# Altium PCB DDR3.PcbDoc (part 2 of 6)
Units mm, origin at the board's own origin, x right, y up, seen from the top; angles counter-clockwise.
Board outline 67.6 x 30 mm, 8 copper layers (L1 Top, L2 GND, L3 Sig, L4 (PWR), L5 (PWR), L6 Sig, L7 GND, L8 Bot), stack 1.714 mm thick; 216 components, 253 nets, 1243 pads, 806 vias.
Unrouted connection lines stored in the file: 13.
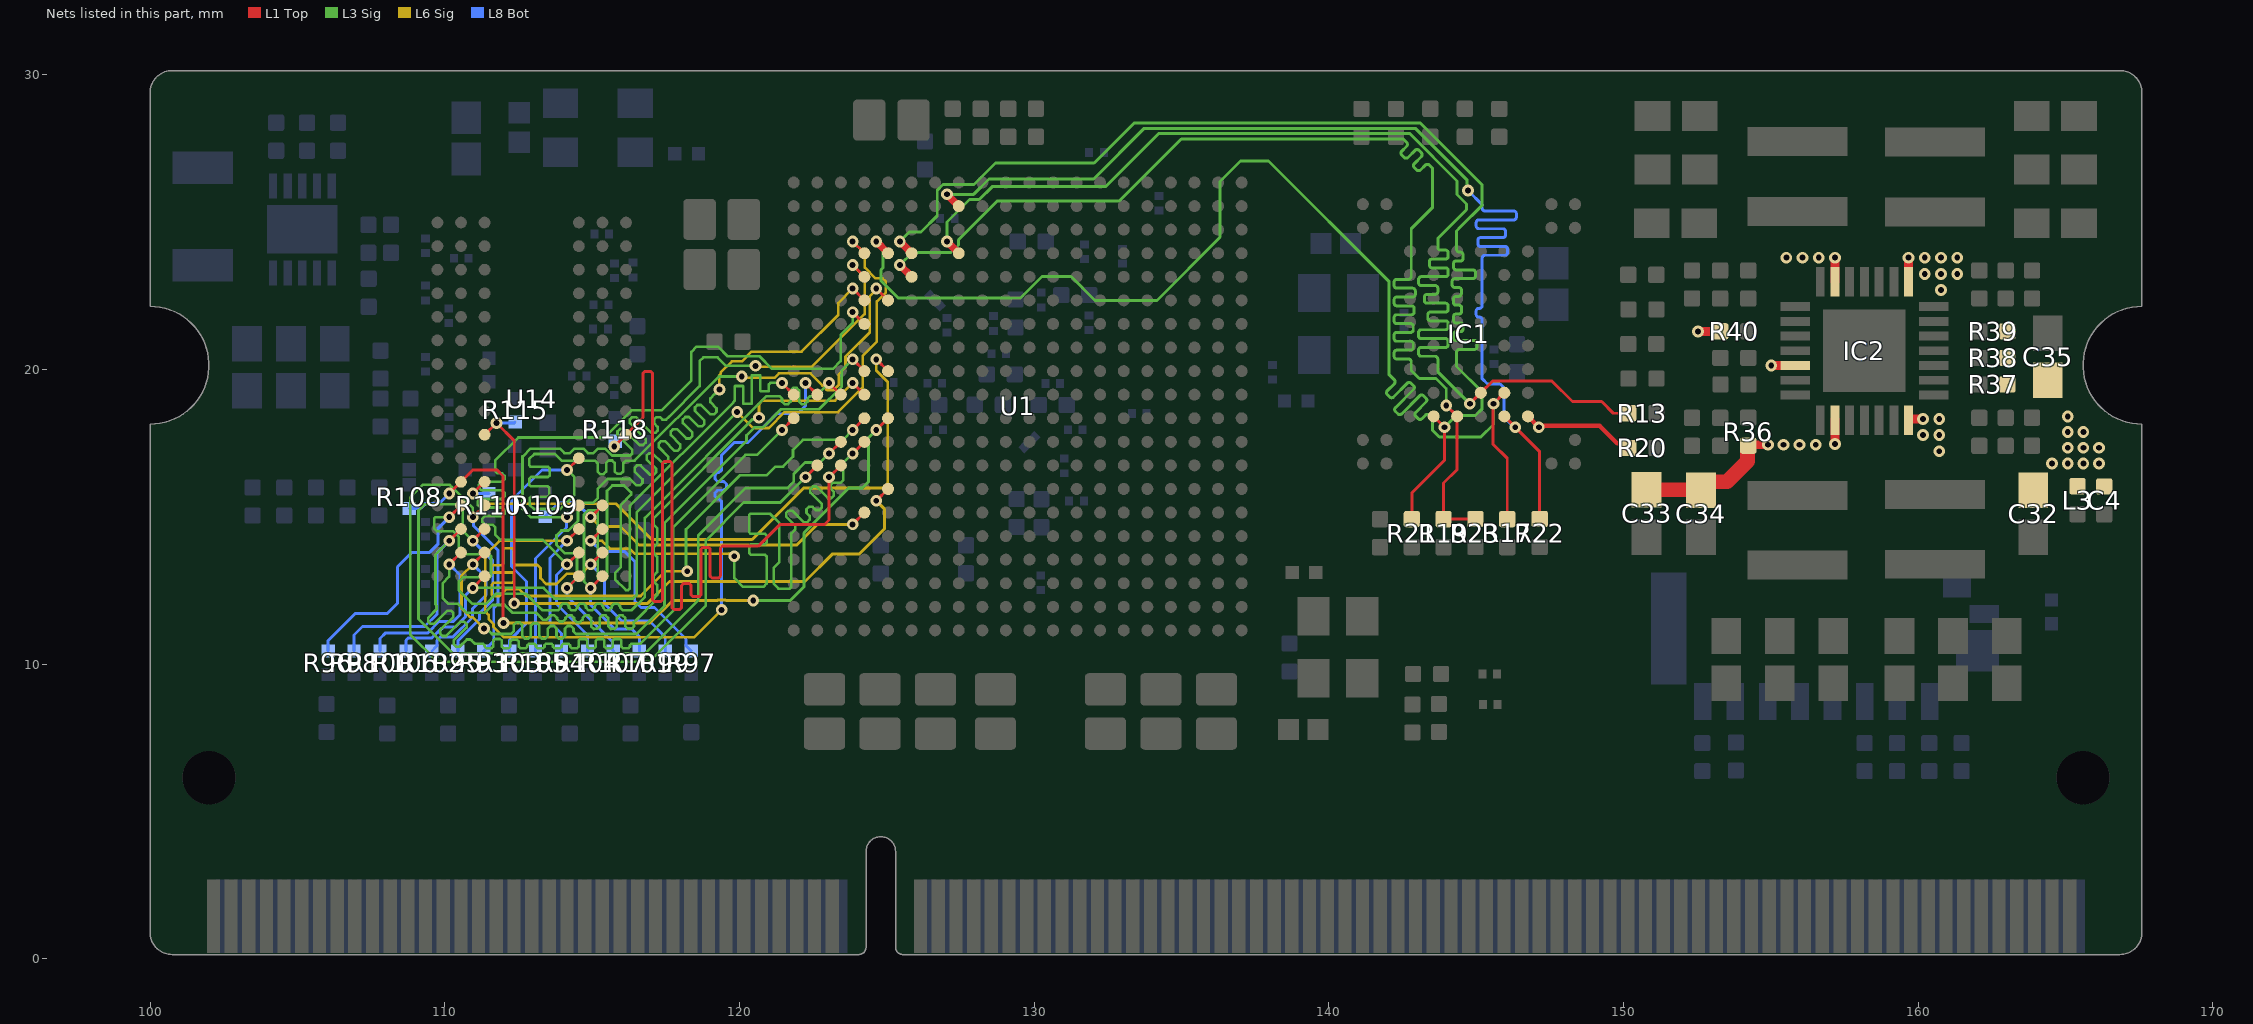
[diagram p8: the nets of this part, all layers, seen from the top]

## Part data
C1 C2 C3: library part CMP-1034-01878-1, "CAP 10nF 16V -20% to +80% 0402 (1005 Metric) Thickness 0.6mm SMD", Case-EIA=0402, Case-Metric=1005, Rated Voltage="16 V", Tolerance="-20% to +80%", Max Thickness="0.6 mm", Technology=SMT
C4 C39: library part Cap_1uF_50V_X6S_0402, "0402, 1uF,  10%, 50V, X6S", Manufacturer=Murata, Manufacturer Part Number=GRT155C81E105KE13D, Operating Temperature="-55°C ~ 105°C", Package="0402 (1005 Metric)", Ratings=AEC-Q200, Supplier Part Number 1=81-GRT155C81E105KE3D, Temperature Coefficient=X6S, Tolerance=±10%, Voltage=25V, Applications=Automotive, Capacitance=1µF, Component Type=Generic, Mounting Type=SMT, Part Number=GRT155C81E105KE13D, Supplier 1=Mouser, Supplier 2=DigiKey, Supplier 3=Farnell, Supplier Part Number 2=490-18215-1-ND, Supplier Part Number 3=2672107, Type=Ceramic
C5 C30 C31 C40 C41 C42 C50 C86 C96 C97 C101 C102 C103: library part Cap_0.1uF_50V_X7R_0402, "0402, 0.1uF, 10%,  50V, X7R", Manufacturer 1=TDK, Manufacturer Part Number 1=C1005X7R1H104K050BE, Operating Temperature="-55°C ~ 125°C", Package="0402 (1005 Metric)", Ratings=AEC-Q200, Supplier Part Number 1=810-C1005X7R1H104KBE, Temperature Coefficient=X7R, Tolerance=±10%, Voltage=50V, Applications=Automotive, Capacitance=0.1µF, Component Type=Generic, Mounting Type=SMT, Part Number=C1005X7R1H104K050BE, Supplier 1=Mouser, Supplier 2=DigiKey, Supplier 3=Farnell, Supplier Part Number 2=445-173610-1-ND, Supplier Part Number 3=3416071, Type=Ceramic
C6 C44 C45 C52 C55 C60 C63 C66 C70 C71 C80 C81 C98 C99 C100 C110 C115 C120: library part Cap_4.7uF_10V_10%_0402, "CAP CER 4.7UF 10V X5R 0402", Case Code (Imperial)=0402, Case Code (Metric)=1005, Dielectric=X5R, Dielectric Material=Ceramic, Manufacturer 1=TDK, Manufacturer Part Number 1=C1005X5R1A475K050BC, Max Operating Temperature=85°C, Min Operating Temperature=-55°C, Package Quantity=10000, Supplier Part Number 1=810-C1005X5R1A475KBC, Tolerance=10%, Voltage Rating=10V, Capacitance=4.7µF, Case/Package=0402, Category="Ceramic Capacitors", Component Type=Generic, ComponentLink1Description=https://datasheet.ciiva.com/14895/tdkmlcccaprange-14895671.pdf?src-supplier=Digi-Key, ComponentLink1URL=https://datasheet.ciiva.com/14895/tdkmlcccaprange-14895671.pdf?src-supplier=Digi-Key, ComponentLink2Description=https://datasheet.ciiva.com/14895/tdkmlcccaprange-14895670.pdf?src-supplier=Digi-Key, ComponentLink2URL=https://datasheet.ciiva.com/14895/tdkmlcccaprange-14895670.pdf?src-supplier=Digi-Key, ComponentLink3Description=https://datasheet.ciiva.com/14895/tdkmlcccaprange-14895672.pdf?src-supplier=Digi-Key, ComponentLink3URL=https://datasheet.ciiva.com/14895/tdkmlcccaprange-14895672.pdf?src-supplier=Digi-Key, Lead Free="Lead Free", Length=0.039inch, Mount="Surface Mount", Packaging="Cut Tape", Part Number=C1005X5R1A475K050BC, Reach SVHC Compliant=Yes, RoHS=Yes, RoHS Compliant=Yes, Series=C, Stock 1=1272492, Supplier 1=Mouser, Thickness=0.022inch, Voltage Rating (DC)=10V, Width=0.02inch
C8 C9 C10 C11 C12 C13 C14 C15 C16 C17 C18 C19 C20 C21 C22 C23 C25 C26 C27 C46 C47 C48 C49 C51 C56 C57 C58 C59 C64 C65 C72 C73 C74 C75 C76 C77 C78 C79 C83 C116 C117: library part Cap_47nF_X7R_0201, "0201, 47nF, 10%, 25V, X7R", Capacitance=47nF, Package=0201, Ratings=AEC-Q200, Supplier Part Number 1=GRM033R61A473KE84D, Applications=Automotive, Component Type=Generic, Mounting Type=SMT, Supplier 1="Arrow Electronics", Supplier 2="Future Electronics", Supplier 3=Farnell, Supplier 4=Mouser, Supplier 5=Digikey, Supplier 6=Newark, Supplier Part Number 2=4125905, Supplier Part Number 3=3340765, Supplier Part Number 4=81-GRM033R61A473KE4D, Supplier Part Number 5=490-14570-1-ND, Supplier Part Number 6=77AH4496
C24 C114: library part CMP-2000-05444-2, "Chip Multilayer Ceramic Capacitors for General Purpose, 0603, 47uF, X5R, 15%, 20%, 6.3V", Capacitance=47uF, Case Code (Imperial)=0603, Case Code (Metric)=1608, Dielectric=X5R, Max Operating Temperature=85°C, Min Operating Temperature=-55°C, Tolerance=20%, Voltage Rating=6.3V, Case/Package=0603, Length=0.063inch, Mount="Surface Mount", Packaging="Tape and Reel", Thickness=0.039inch, Voltage Rating (DC)=6.3V, Width=0.031inch
C28 C29 C85 C104 C105: library part Cap_10nF_25V_NP0_0402, "0402,10nF,5%,25V,NP0", Manufacturer=Murata, Manufacturer Part Number 1=GRM1555C1E103JE01J, Operating Temperature="-55°C ~ 125°C", Package="0402 (1005 Metric)", Supplier Part Number 1=81-GRM1555C1E103JE1J, Temperature Coefficient=NP0, Tolerance=±5%, Voltage=25V, Capacitance=10nF, Component Type=Generic, Mounting Type=SMT, Part Number=GRM1555C1E103JE01J, Supplier 1=Mouser, Supplier 2=DigiKey, Supplier 3=Farnell, Type=Ceramic
C32 C33 C34 C35 C36 C37 C38 C87 C88 C89 C91 C92 C93 C95 C112 C121 C122 C140 C141: library part CMP-2006-02792-2, "Chip Multilayer Ceramic Capacitors for General Purpose, 0603, 10uF, X5R, 15%, 20%, 6.3V", Capacitance=10uF, Case Code (Imperial)=0603, Case Code (Metric)=1608, Dielectric=X5R, Max Operating Temperature=85°C, Min Operating Temperature=-55°C, Package Quantity=4000, Tolerance=20%, Voltage=6.3V, Case/Package=0603, Depth=0.8mm, Height=0.8mm, Lead Free="Lead Free", Length=1.6mm, Material=Ceramic, Mount="Surface Mount", Packaging="Tape and Reel", Radiation Hardening=No, REACH SVHC="No SVHC", Termination=SMD/SMT, Thickness=0.035inch, Voltage Rating=6.3V, Voltage Rating (DC)=6.3V, Width=0.031inch
C43 C53 C54 C61 C62 C67 C68 C69 C82 C84: library part Cap_10uF_50V_X7S_0805, "0805, 10uF, 10%, 25V, X7S", Manufacturer 1=Murata, Manufacturer Part Number=GRT21BC71E106KE13L, Operating Temperature="-55°C ~ 125°C", Package="0805 (2012 Metric)", Ratings=AEC-Q200, Supplier Part Number 1=81-GRT21BC71E106KE13, Temperature Coefficient=X7S, Tolerance=±10%, Voltage=25V, Applications=Automotive, Capacitance=10µF, Component Type=Generic, Manufacturer Part Number 1=GRT21BC71E106KE13L, Mounting Type=SMT, Part Number=GRT21BC71E106KE13L, Supplier 1=Mouser, Supplier 2=DigiKey, Supplier 3=Farnell, Supplier Part Number 2=490-GRT21BC71E106KE13LCT-ND, Supplier Part Number 3=3784584, Type=Ceramic
C90 C94: library part CAP_22pF_50V_X7R_0402, "Multilayer Ceramic Capacitor, AEC-Q200 CGA Series, 22 pF, - 5%, C0G / NP0, 50 V", Case Code (Imperial)=0402, Case Code (Metric)=1005, Dielectric=C0G, Manufacturer 1=TDK, Manufacturer Part Number 1=CGA2B2C0G1H220J050BA, Max Operating Temperature=125°C, Min Operating Temperature=-55°C, Package Quantity=10000, Ratings=AEC-Q200, Resistor Type=Ceramic, Supplier Part Number 1=445-5588-1-ND, Tolerance=5%, Voltage Rating=50V, Capacitance=22pF, Case/Package=0402, Category="Ceramic Capacitors", Component Type=Generic, ComponentLink1Description=https://datasheet.ciiva.com/24219/cga2b2c0g1h220j050ba-265690-24219866.pdf?src-supplier=Mouser, ComponentLink1URL=https://datasheet.ciiva.com/24219/cga2b2c0g1h220j050ba-265690-24219866.pdf?src-supplier=Mouser, ComponentLink2Description=https://datasheet.ciiva.com/23803/1936565-23803065.pdf?src-supplier=Newark, ComponentLink2URL=https://datasheet.ciiva.com/23803/1936565-23803065.pdf?src-supplier=Newark, ComponentLink3Description=https://datasheet.ciiva.com/28563/1735392-28563914.pdf?src-supplier=Element14, ComponentLink3URL=https://datasheet.ciiva.com/28563/1735392-28563914.pdf?src-supplier=Element14, Depth=0.5mm, Height=0.5mm, Lead Free="Lead Free", Length=1mm, Mount="Surface Mount", Packaging="Tape and Reel", Part Number=CGA2B2C0G1H220J050BA, Pricing 1="1=0.10000, 10=0.05200, 50=0.02840, 100=0.02320, 500=0.01654, 1000=0.01299, 2500=0.01181, 5000=0.01087 (USD)", Pricing 2="1=0.12000, 10=0.05600, 50=0.05600, 100=0.02500, 1000=0.01400, 10000=0.01100 (USD)", Pricing 3="10=0.04830, 100=0.02130, 500=0.01230, 2500=0.01120, 5000=0.01010 (GBP)", REACH SVHC="No SVHC", RoHS=Yes, RoHS Compliant=Yes, Series=CGA, Stock 1=105879, Stock 2=202942, Stock 3=17918, Supplier 1=Digi-Key, Supplier 2=Mouser, Supplier 3=Farnell, Supplier Part Number 2=810-CGA2B2C0G1H220J, Supplier Part Number 3=2210771, Termination=SMD/SMT, Thickness=0.022inch, Voltage Rating (DC)=50V, Weight=2.3E-05oz, Width=0.02inch
C113: library part CMP-2000-05259-2, "CAP CER 100UF 6.3V X5R 1210", 3DS Part Number=220-00002, Capacitance=100uF, Manufacturer=Murata, Package=GRM32-0.3, Temperature="-55°C to +85°C", Temperature Characteristic=X5R, Temperature Coefficient=15%, Temperature Range High=+85°C, Temperature Range Low=-55°C, Tolerance=20%, Voltage=6.3V, Automotive=No, Category=Cap, ComponentLink2Description=Datasheet, ComponentLink2URL=https://search.murata.co.jp/Ceramy/image/img/A01X/G101/ENG/GRM32ER60J107ME20-01.pdf, Device Class L1="Passive Components", Device Class L2=Capacitors, Device Class L3="Ceramic Capacitors", Digikey Description="CAP CER 100UF 6.3V X5R 1210", Height=2.7mm, ipc land pattern name=CAPC320250X250, Lead Free=Yes, Manufacturer Part Number=GRM32ER60J107ME20L, Material=Ceramic, Octopart=https://octopart.com/grm32er60j107me20l-murata-197007, RoHS=TRUE, Voltage Rating=6.3V
C142: library part Cap_15pF_50V_0402, "0402 15 pF 50 V ±5 % Tolerance NP0 SMT Multilayer Ceramic Capacitor", Case Code (Imperial)=0402, Case Code (Metric)=1005, Dielectric=C0G, Dielectric Material=Ceramic, Insulation Resistance=100GR, Manufacturer=Yageo, Manufacturer Part Number=CC0402JRNPO9BN150, Max Operating Temperature=125°C, Min Operating Temperature=-55°C, Package Quantity=1, Supplier Part Number 1=603-CC402JRNPO9BN150, Tolerance=5%, Voltage=50V, Capacitance=15pF, Case/Package=0402, Category="Ceramic Capacitors", Component Type=Generic, ComponentLink1Description=https://datasheet.ciiva.com/5789/1443161-5789504.pdf?src-supplier=Farnell, ComponentLink1URL=https://datasheet.ciiva.com/5789/1443161-5789504.pdf?src-supplier=Farnell, ComponentLink2Description=https://datasheet.ciiva.com/26862/getdatasheetpartid-403449-26862595.pdf?src-supplier=Verical, ComponentLink2URL=https://datasheet.ciiva.com/26862/getdatasheetpartid-403449-26862595.pdf?src-supplier=Verical, ComponentLink3Description=https://datasheet.ciiva.com/144/mlccorderingcode-144002.pdf?src-supplier=Digi-Key, ComponentLink3URL=https://datasheet.ciiva.com/144/mlccorderingcode-144002.pdf?src-supplier=Digi-Key, ComponentLink4Description=https://datasheet.ciiva.com/144/mlccorderingcode-144001.pdf?src-supplier=Digi-Key, ComponentLink4URL=https://datasheet.ciiva.com/144/mlccorderingcode-144001.pdf?src-supplier=Digi-Key, ComponentLink5Description=https://datasheet.ciiva.com/144/mlccorderingcode-144003.pdf?src-supplier=Digi-Key, ComponentLink5URL=https://datasheet.ciiva.com/144/mlccorderingcode-144003.pdf?src-supplier=Digi-Key, ComponentLink6Description=https://datasheet.ciiva.com/13386/upy-gp-np0-16v-to-50v-8-13386330.pdf?src-supplier=Mouser, ComponentLink6URL=https://datasheet.ciiva.com/13386/upy-gp-np0-16v-to-50v-8-13386330.pdf?src-supplier=Mouser, ComponentLink7Description=https://datasheet.ciiva.com/11587/upy-gp-np0-16v-to-50v-8-11587085.pdf?src-supplier=Avnet, ComponentLink7URL=https://datasheet.ciiva.com/11587/upy-gp-np0-16v-to-50v-8-11587085.pdf?src-supplier=Avnet, Depth=0.5mm, Height=0.5mm, Lead Free="Lead Free", Length=1mm, Manufacturer 1=Yageo, Manufacturer Part Number 1=CC0402JRNPO9BN150, Mounting Technology="Surface Mount", Packaging="Tape and Reel", Part Number=CC0402JRNPO9BN150, Pins=2, Pricing 1="1=0.10000, 10=0.01300, 50=0.01300, 100=0.01100, 1000=0.00600, 10000=0.00400 (USD)", Pricing 2="1=0.10000, 10=0.02400, 50=0.01300, 100=0.01070, 500=0.00764, 1000=0.00600, 2500=0.00546, 5000=0.00502 (USD)", Pricing 3="10=0.01300, 100=0.01100, 500=0.00600, 2500=0.00550, 5000=0.00500, 10000=0.00400, 50000=0.00390 (EUR)", Radiation Hardening=No, Reach SVHC Compliant=Yes, Resistor Type=Ceramic, RoHS=Yes, RoHS Compliant=Yes, Series=CC, Stock 1=256699, Stock 2=1634123, Stock 3=1588454, Supplier 1=Mouser, Supplier 2=Digi-Key, Supplier 3=Farnell, Supplier Part Number 2=311-1017-1-ND, Supplier Part Number 3=3019172, Termination=SMD/SMT, Thickness=0.022inch, Voltage Rating=50V, Voltage Rating (DC)=50V, Width=0.02inch
D1 D2: library part CMP-44529-000044-1, "LED GREEN CLEAR CHIP SMD", Case Code (Imperial)=0402, Case Code (Metric)=1005, Color=Green, Forward Current=20mA, Forward Voltage=2.1V, Lens Color=Clear, Max Operating Temperature=85°C, Min Operating Temperature=-40°C, Package Quantity=2000, Case/Package=0402, Dominant Wavelength=570nm, Height=0.6mm, Illumination Color=Green, Lead Free="Lead Free", Length=1mm, Lens Style=Clear, Luminous Intensity=50mcd, Mount="Surface Mount", Number of LEDs=1, Number of Pins=2, Packaging="Tape and Reel", Test Current=20mA, Viewing Angle=120°, Wavelength=570nm, Width=0.5mm
FB1 FB2: library part CMP-0686-00273-4, "Chip Ferrite Bead, 0402, 600Ω @ 100MHz, 0.85Ω, 25%, 300mA", Case Code (Imperial)=0402, Case Code (Metric)=1005, Current Rating=300mA, DC Resistance (DCR)=850mR, Frequency=100MHz, Max Operating Temperature=125°C, Min Operating Temperature=-55°C, Package Quantity=1, Tolerance=25%, Case/Package=0402, Core Material=Ferrite, DC Current=300mA, DC Resistance-Max=850mR, Depth=0.5mm, Height=0.5mm, Impedance=600R, Lead Free="Lead Free", Length=1mm, Material=Ferrite, Max Current Rating=300mA, Max DC Current=300mA, Military Standard=Not, Number of Circuits=1, Number of Lines=1, Number of Pins=2, Packaging="Tape and Reel", Radiation Hardening=No, REACH SVHC="No SVHC", Series=BLM15H, Shielding=Unshielded, Termination=SMD/SMT, Test Frequency=100MHz, Width=0.5mm
IC1: "IC FLASH NAND 8GB 63VFBGA", Arrow Part Number=MT29F8G08ADADAH4-IT:D, Case/Package=VFBGA, Manufacturer="Micron Technology", Manufacturer_Name=Micron, Max Operating Temperature=85°C, Max Supply Voltage=3.6V, Min Operating Temperature=-40°C, Min Supply Voltage=2.7V, Mouser Part Number=340-112428-TRAY, Operating Supply Voltage=3.3V, Package Quantity=1000, Supply Current=35mA, Access Time-Max=25ns, Address Bus Width=1b, Arrow Price/Stock=https://www.arrow.com/en/products/mt29f8g08adadah4-itd/micron-technology, Category=Flash, ComponentLink1Description=http://components.arrow.com/part/dataview/50637507S8848452N2596?src-supplier=Arrow+Electronics, ComponentLink1URL=http://components.arrow.com/part/dataview/50637507S8848452N2596?src-supplier=Arrow+Electronics, ComponentLink2Description=https://www.verical.com/server-webapp/html/getDatasheet?partID=338141&src-supplier=Verical, ComponentLink2URL=https://www.verical.com/server-webapp/html/getDatasheet?partID=338141&src-supplier=Verical, Datasheet Link=https://www.mouser.co.uk/datasheet/2/671/micron_technology_micts06228-1-1759217.pdf, Density=8Gb, Height=1mm, Interface=Parallel, Lead Free="Lead Free", Manufacturer Part Number=MT29F8G08ADADAH4-IT:D, Manufacturer_Part_Number=MT29F8G08ADADAH4-IT:D, Memory Format="FLASH,NAND,SLC NAND", Memory Size=1000000000B, Mounting Technology="Surface Mount", Mouser Price/Stock=https://www.mouser.co.uk/ProductDetail/Micron/MT29F8G08ADADAH4-ITD?qs=rrS6PyfT74eZPKUjEpJhBg%3D%3D, Packaging=Bulk, Page Size=2KB, Pins=63, Pricing 1="1=13.1, 10=12.13, 50=10.38, 100=9.87, 1000=9.77, 10000=9.77 (USD)", Radiation Hardening=No, RoHS=Yes, RoHS Compliant=Yes, Series=-, Stock 1=2500, Supplier 1=Mouser, Supplier Part Number 1=340-112428-TRAY, Sync/Async=Asynchronous, Word Size=8b
IC2: "DC to DC Converter Quad Step-Down 3V to 5.5V Automotive 28-Pin TQFN Tube", Arrow Part Number=MAX20029ATIF/V+, Manufacturer=Maxim, Manufacturer_Name="Analog Devices", Mouser Part Number=700-MAX20029ATIF/V+, Supplier Part Number 1=175-MAX20029ATIF/V+-ND, Arrow Price/Stock=https://www.arrow.com/en/products/max20029atifv/maxim-integrated?region=nac, Category="Voltage Regulators - Switching", Datasheet Link=https://datasheets.maximintegrated.com/en/ds/MAX20029-MAX20029D.pdf, Height=0.8mm, Manufacturer Part Number=MAX20029ATIF/V+, Manufacturer_Part_Number=MAX20029ATIF/V+, Mouser Price/Stock=https://www.mouser.co.uk/ProductDetail/Maxim-Integrated/MAX20029ATIF-V%2b?qs=uwxL4vQweFOl5TBKmLtmFg%3D%3D, Pricing 1="1=3.98, 10=3.57, 25=3.3752, 100=2.925, 250=2.775, 500=2.49, 1000=2.25 (USD)", RoHS=Yes, Supplier 1=Digi-Key
J1: "1.10mm Pitch microSD Card Header with Detect Pin Height 2.85mm Lead-Free Gold (Au) Plated 0.762", Manufacturer=Molex, Mouser Part Number=538-47309-2285, Category="Memory Connectors", Datasheet Link=https://www.molex.com/pdm_docs/sd/473092285_sd.pdf, Height=2.85mm, Manufacturer Part Number=47309-2285, Manufacturer_Name=Molex, Manufacturer_Part_Number=47309-2285, Mouser Price/Stock=https://www.mouser.co.uk/ProductDetail/Molex/47309-2285?qs=yd8XiKYcH9k6mrof3cUHRA%3D%3D, Pricing 1="1=2.29, 10=1.83, 50=1.83, 100=1.64, 1000=1.64, 10000=1.12 (USD)", RoHS=Yes, Stock 1=8870, Supplier 1=Mouser, Supplier Part Number 1=538-47309-2285
L3: library part "Ferrite Bead_ 0402_120R_100MHz_2A", "Ferrite Beads Multi-Layer 120Ohm 25% 100MHz 2A 0.055Ohm DCR 0402 T/R", Case Code (Imperial)=0402, Case Code (Metric)=1005, Current Rating=2A, DC Resistance (DCR)=55mR, Manufacturer 1=Murata, Manufacturer Part Number 1=BLM15PX121SN1D, Max Operating Temperature=125°C, Min Operating Temperature=-55°C, Package Quantity=10000, Supplier Part Number 1=81-BLM15PX121SN1D, Test Frequency=100MHz, Tolerance=25%, Case/Package=0402, Category=Inductors, Component Type=Generic, ComponentLink1Description=https://datasheet.ciiva.com/41449/001172210-da-01-en-drossel-0402-120r-1-0x0-5mm-10000st-41449498.pdf?src-supplier=Conrad, ComponentLink1URL=https://datasheet.ciiva.com/41449/001172210-da-01-en-drossel-0402-120r-1-0x0-5mm-10000st-41449498.pdf?src-supplier=Conrad, ComponentLink2Description=https://datasheet.ciiva.com/41860/l0110e-41860699.pdf?src-supplier=Digi-Key, ComponentLink2URL=https://datasheet.ciiva.com/41860/l0110e-41860699.pdf?src-supplier=Digi-Key, ComponentLink3Description=https://datasheet.ciiva.com/29364/l0110e-29364069.pdf?src-supplier=Digi-Key, ComponentLink3URL=https://datasheet.ciiva.com/29364/l0110e-29364069.pdf?src-supplier=Digi-Key, Height=0.5mm, Impedance=120R, Lead Free="Lead Free", Length=1mm, Material=Steel, Max Current Rating=2A, Max DC Current=2A, Number of Circuits=1, Number of Lines=1, Number of Pins=2, Packaging="Tape and Reel", Part Number=BLM15PX121SN1D, Pricing 1="10000=0.02260, 20000=0.02070, 30000=0.02030, 50000=0.02000 (USD)", Pricing 2="1=0.10000, 10=0.05600, 50=0.05600, 100=0.03800, 500=0.03200, 1000=0.02700, 2500=0.02600, 5000=0.02400, 10000=0.02300, 20000=0.02100 (USD)", Pricing 3="1=0.10000, 10=0.08400, 25=0.07560, 50=0.05540, 100=0.04790, 250=0.03780, 500=0.03192, 1000=0.02688, 5000=0.02394 (USD)", REACH SVHC="No SVHC", RoHS=Yes, RoHS Compliant=Yes, Series="EMIFIL®, BLM15P", Stock 1=80000, Stock 2=723874, Stock 3=1310967, Supplier 1=Mouser, Supplier 2=Digi-Key, Supplier 3="Arrow Electronics", Supplier Part Number 2=490-9656-1-ND, Supplier Part Number 3=BLM15PX121SN1D, Termination=SMD/SMT, Weight=2.3E-05oz, Width=0.5mm
L5 L6 L7 L8: library part CMP-11268-000146-1, "SHIELDED POWER INDUCTORS, 1.5UH"
R1 R48 R56 R62 R93 R94 R95 R96 R97 R98 R99 R100 R101 R102 R103 R104 R105 R106 R107 R108 R109 R110 R111 R114 R115 R116 R117 R118: library part CMP-2002-01146-1, Manufacturer=Panasonic, Part Number=ERJ2RKF33R0X
R2 R3 R4 R30 R43 R86 R87 R88 R89 R90: library part Res_100K_1%_0402, "0402, 100k, 1%, 62.5mW, 50V", Manufacturer 1=Bourns, Manufacturer Part Number 1=CR0402-FX-1003GLF, Operating Temperature="-55°C ~ 125°C", Package="0402 (1005 Metric)", Supplier Part Number 1=652-CR0402FX-1003GLF, Temperature Coefficient="100 PPM / C", Tolerance=±1%, Voltage="50 V", Component Type=Generic, Mounting Type=SMT, Part Number=CR0402-FX-1003GLF, Resistance="100 kOhms", Supplier 1=Mouser, Supplier 2=DigiKey, Supplier 3=Farnell, Supplier Part Number 2=CR0402-FX-1003GLFCT-ND, Supplier Part Number 3=2787798
R5 R9 R13 R17 R18 R19 R20 R21 R22 R23: library part Res_4K7_1%_0402, "0402,4.7K,1%,63mW,50V", Alternative Part Number=CR0402-FX-4701GLF, Manufacturer 1=YAGEO, Manufacturer 2=Bourns, Manufacturer Part Number 1=AC0402FR-074K7L, Operating Temperature="-55°C ~ 125°C", Package="0402 (1005 Metric)", Supplier Part Number 1=603-AC0402FR-074K7L, Temperature Coefficient="100 PPM / C", Tolerance=±1%, Voltage=50V, Component Type=Generic, Manufacturer Part Number 2=CR0402-FX-4701GLF, Mounting Type=SMT, Part Number=AC0402FR-074K7L, Resistance=4.7K, Supplier 1=Mouser, Supplier 2=Digi-Key, Supplier 3=Farnell, Supplier 4=Mouser, Supplier 5=Digi-Key, Supplier 6=Farnell, Supplier Part Number 2=YAG3497CT-ND, Supplier Part Number 3=3495205, Supplier Part Number 4=652-CR0402FX-4701GLF, Supplier Part Number 5=CR0402-FX-4701GLFCT-ND, Supplier Part Number 6=4014423
R6 R10 R12: library part Res_330R_1%_50V_0402, "Res Thick Film 0402 330 Ohm 1% 1/16W ±100ppm/°C Molded SMD Paper T/R", Case Code (Imperial)=0402, Case Code (Metric)=1005, Manufacturer=Vishay, Manufacturer Part Number=CRCW0402330RFKED, Max Operating Temperature=155°C, Max Power Dissipation=63mW, Min Operating Temperature=-55°C, Package Quantity=10, Resistance Tolerance=1%, Resistor Type="Thick Film", Supplier Part Number 1=71-CRCW0402-330-E3, Temperature Coefficient=100ppm/°C, Voltage=50, Voltage Rating=50V, Case/Package=0402, Category="Chip SMD Resistors", Component Type=Generic, ComponentLink1Description=https://datasheet.ciiva.com/11821/0900766b80f80784-11821294.pdf?src-supplier=RSComponents, ComponentLink1URL=https://datasheet.ciiva.com/11821/0900766b80f80784-11821294.pdf?src-supplier=RSComponents, ComponentLink2Description=https://datasheet.ciiva.com/7802/aoa0000ce2-7802409.pdf?src-supplier=Element14, ComponentLink2URL=https://datasheet.ciiva.com/7802/aoa0000ce2-7802409.pdf?src-supplier=Element14, ComponentLink3Description=https://datasheet.ciiva.com/22673/1678782-22673685.pdf?src-supplier=Element14, ComponentLink3URL=https://datasheet.ciiva.com/22673/1678782-22673685.pdf?src-supplier=Element14, ComponentLink4Description=https://datasheet.ciiva.com/22687/1678782-22687071.pdf?src-supplier=Element14, ComponentLink4URL=https://datasheet.ciiva.com/22687/1678782-22687071.pdf?src-supplier=Element14, ComponentLink5Description=https://datasheet.ciiva.com/22737/426256-22737285.pdf?src-supplier=Element14, ComponentLink5URL=https://datasheet.ciiva.com/22737/426256-22737285.pdf?src-supplier=Element14, ComponentLink6Description=https://datasheet.ciiva.com/46420/1678782-46420317.pdf?src-supplier=Element14, ComponentLink6URL=https://datasheet.ciiva.com/46420/1678782-46420317.pdf?src-supplier=Element14, ComponentLink7Description=https://datasheet.ciiva.com/24024/aoa0000ce2-24024398.pdf?src-supplier=Mouser, ComponentLink7URL=https://datasheet.ciiva.com/24024/aoa0000ce2-24024398.pdf?src-supplier=Mouser, ComponentLink8Description=https://datasheet.ciiva.com/16784/70260748-16784773.pdf?src-supplier=Allied+Electronics, ComponentLink8URL=https://datasheet.ciiva.com/16784/70260748-16784773.pdf?src-supplier=Allied+Electronics, ComponentLink9Description=https://datasheet.ciiva.com/9190/aoa0000ce2-9190679.pdf?src-supplier=Avnet, ComponentLink9URL=https://datasheet.ciiva.com/9190/aoa0000ce2-9190679.pdf?src-supplier=Avnet, ComponentLink10Description=https://datasheet.ciiva.com/30159/aoa0000ce2-30159014.pdf?src-supplier=Onlinecomponents.com, ComponentLink10URL=https://datasheet.ciiva.com/30159/aoa0000ce2-30159014.pdf?src-supplier=Onlinecomponents.com, ComponentLink11Description=https://datasheet.ciiva.com/11811/0900766b80d98824-11811100.pdf?src-supplier=Rs, ComponentLink11URL=https://datasheet.ciiva.com/11811/0900766b80d98824-11811100.pdf?src-supplier=Rs, ComponentLink12Description=https://datasheet.ciiva.com/7777/1697337-7777541.pdf?src-supplier=Element14, ComponentLink12URL=https://datasheet.ciiva.com/7777/1697337-7777541.pdf?src-supplier=Element14, ComponentLink13Description=https://datasheet.ciiva.com/7777/1697337-7777542.pdf?src-supplier=Element14, ComponentLink13URL=https://datasheet.ciiva.com/7777/1697337-7777542.pdf?src-supplier=Element14, ComponentLink14Description=https://datasheet.ciiva.com/2463/dcrcwe3-2463479.pdf?src-supplier=Digi-Key, ComponentLink14URL=https://datasheet.ciiva.com/2463/dcrcwe3-2463479.pdf?src-supplier=Digi-Key, ComponentLink15Description=https://datasheet.ciiva.com/2463/dcrcwe3-2463480.pdf?src-supplier=Digi-Key, ComponentLink15URL=https://datasheet.ciiva.com/2463/dcrcwe3-2463480.pdf?src-supplier=Digi-Key, ComponentLink16Description=https://datasheet.ciiva.com/2463/dcrcwe3-2463478.pdf?src-supplier=Digi-Key, ComponentLink16URL=https://datasheet.ciiva.com/2463/dcrcwe3-2463478.pdf?src-supplier=Digi-Key, ComponentLink17Description=https://datasheet.ciiva.com/16772/70201119-16772762.pdf?src-supplier=Allied+Electronics, ComponentLink17URL=https://datasheet.ciiva.com/16772/70201119-16772762.pdf?src-supplier=Allied+Electronics, ComponentLink18Description=https://datasheet.ciiva.com/5549/dcrcwe3-109170-5549013.pdf?src-supplier=Mouser, ComponentLink18URL=https://datasheet.ciiva.com/5549/dcrcwe3-109170-5549013.pdf?src-supplier=Mouser, ComponentLink19Description=https://datasheet.ciiva.com/16429/dcrcwe3-16429993.pdf?src-supplier=Future+Electronics, ComponentLink19URL=https://datasheet.ciiva.com/16429/dcrcwe3-16429993.pdf?src-supplier=Future+Electronics, ComponentLink20Description=https://datasheet.ciiva.com/3256/dcrcwe3-3256405.pdf?src-supplier=Avnet, ComponentLink20URL=https://datasheet.ciiva.com/3256/dcrcwe3-3256405.pdf?src-supplier=Avnet, Construction=Rectangular, Contact Plating=Tin, Depth=0.5mm, Features="Automotive AEC-Q200", Height=0.35mm, Lead Free="Lead Free", Length=1mm, Manufacturer 1=Vishay, Manufacturer Part Number 1=CRCW0402330RFKED, Military Standard=Not, Number of Terminations=2, Packaging="Tape and Reel", Part Number=CRCW0402330RFKED, Power Rating=63mW, Pricing 1="1=0.1, 10=0.042, 50=0.042, 100=0.017, 1000=0.008, 10000=0.005 (USD)", Pricing 2="1=0.1, 10=0.037, 100=0.0149, 1000=0.00668, 2500=0.0058, 5000=0.00479 (USD)", Pricing 3="10=0.0395, 100=0.016, 500=0.0075, 2500=0.0066, 5000=0.0056, 10000=0.0047, 50000=0.0046, 100000=0.0045 (EUR)", Radiation Hardening=No, Reach SVHC Compliant=Unknown, Resistance=330R, RoHS=Yes, RoHS Compliant=Yes, Series=CRCW, Stock 1=25067, Stock 2=134870, Stock 3=164855, Supplier 1=Mouser, Supplier 2=Digi-Key, Supplier 3=Farnell, Supplier Part Number 2=541-330LCT-ND, Supplier Part Number 3=1469709, Technology="THICK FILM", Termination=SMD/SMT, Tolerance=1%, Voltage Rating (DC)=50V, Weight=2.3E-05oz, Width=0.02inch
R7 R8 R11 R14 R15 R16 R26: library part Res_20k_1%_0402, "0402,20K,1%,63mW,50V", Manufacturer 1=YAGEO, Manufacturer Part Number 1=RC0402FR-0720KL, Operating Temperature="-55°C ~ 125°C", Package="0402 (1005 Metric)", Supplier Part Number 1=311-20.0KLRCT-ND, Temperature Coefficient="100 PPM / C", Tolerance=±1%, Voltage=50V, Component Type=Generic, Mounting Type=SMT, Part Number=RC0402FR-0720KL, Resistance=20kOhm, Supplier 1=Digi-Key, Supplier 2=Mouser, Supplier 3=Farnell, Supplier Part Number 2=603-RC0402FR-0720KL, Supplier Part Number 3=3495551
R24 R25 R36: library part Res_0R_0402, "0402, 0R", Manufacturer 1=Vishay, Manufacturer Part Number 1=CRCW04020000Z0EDC, Operating Temperature="-55°C ~ 125°C", Package="0402 (1005 Metric)", Supplier Part Number 1=71-CRCW04020000Z0EDC, Temperature Coefficient="0 PPM / C", Voltage=50V, Applications="Commercial Grade", Component Type=Generic, Mounting Type=SMT, Part Number=CRCW04020000Z0EDC, Resistance="0 Ohms", Supplier 1=Mouser, Supplier 2=DigiKey, Supplier 3=Farnell, Supplier Part Number 2=541-4062-1-ND
R27 R28 R29 R34: library part Res_71.5K_1%_1/10W_0402, "Res Thick Film 0402 71.5K Ohm 1% 1/10W ±100ppm/°C Molded SMD Punched Carrier T/R", Case Code (Imperial)=0402, Case Code (Metric)=1005, Manufacturer=Panasonic, Manufacturer Part Number=ERJ-2RKF7152X, Max Operating Temperature=155°C, Max Power Dissipation=100mW, Min Operating Temperature=-55°C, Operating Temperature="-55°C ~ 125°C", Package="0402 (1005 Metric)", Package Quantity=1, Resistance Tolerance=1%, Resistor Type="Thick Film", Supplier Part Number 1=667-ERJ-2RKF7152X, Tolerance=±1%, Voltage Rating=50V, Case/Package=0402, Category="Chip SMD Resistors", Component Type=Generic, ComponentLink1Description=https://datasheet.ciiva.com/7861/aoa0000ce2-7861997.pdf?src-supplier=Element14, ComponentLink1URL=https://datasheet.ciiva.com/7861/aoa0000ce2-7861997.pdf?src-supplier=Element14, ComponentLink2Description=https://datasheet.ciiva.com/43467/1678782-43467469.pdf?src-supplier=Farnell, ComponentLink2URL=https://datasheet.ciiva.com/43467/1678782-43467469.pdf?src-supplier=Farnell, ComponentLink3Description=https://datasheet.ciiva.com/46372/1678782-46372878.pdf?src-supplier=Element14, ComponentLink3URL=https://datasheet.ciiva.com/46372/1678782-46372878.pdf?src-supplier=Element14, ComponentLink4Description=https://datasheet.ciiva.com/22668/1678782-22668152.pdf?src-supplier=Element14, ComponentLink4URL=https://datasheet.ciiva.com/22668/1678782-22668152.pdf?src-supplier=Element14, ComponentLink5Description=https://datasheet.ciiva.com/28592/1694929-28592264.pdf?src-supplier=Element14, ComponentLink5URL=https://datasheet.ciiva.com/28592/1694929-28592264.pdf?src-supplier=Element14, ComponentLink6Description=https://datasheet.ciiva.com/46372/1678782-46372877.pdf?src-supplier=Element14, ComponentLink6URL=https://datasheet.ciiva.com/46372/1678782-46372877.pdf?src-supplier=Element14, ComponentLink7Description=https://datasheet.ciiva.com/24027/aoa0000ce2-24027461.pdf?src-supplier=Mouser, ComponentLink7URL=https://datasheet.ciiva.com/24027/aoa0000ce2-24027461.pdf?src-supplier=Mouser, ComponentLink8Description=https://datasheet.ciiva.com/16786/70260748-16786679.pdf?src-supplier=Allied+Electronics, ComponentLink8URL=https://datasheet.ciiva.com/16786/70260748-16786679.pdf?src-supplier=Allied+Electronics, ComponentLink9Description=https://datasheet.ciiva.com/16766/70260748-16766095.pdf?src-supplier=Allied+Electronics, ComponentLink9URL=https://datasheet.ciiva.com/16766/70260748-16766095.pdf?src-supplier=Allied+Electronics, Construction=Rectangular, Contact Plating=Tin, Depth=0.5mm, Features="Automotive AEC-Q200", Height=0.016inch, Lead Free="Contains Lead", Length=1mm, Manufacturer 1=Panasonic, Manufacturer Part Number 1=ERJ-2RKF7152X, Military Standard=Not, Mount="Surface Mount", Mounting Type=SMT, Number of Terminations=2, Packaging="Tape and Reel", Part Number=ERJ-2RKF7152X, Power Rating=100mW, Pricing 1="1=0.09340, 10=0.02090, 100=0.01040, 1000=0.00420, 2500=0.00410, 10000=0.00320, 30000=0.00290 (USD)", Pricing 2="1=0.10000, 10=0.03400, 100=0.01370, 1000=0.00615, 2500=0.00534, 5000=0.00441 (USD)", Pricing 3="1=0.10000, 10=0.03400, 50=0.03400, 100=0.01400, 1000=0.00700, 10000=0.00500 (USD)", Pricing 4="10000=0.00400, 50000=0.00390 (GBP)", REACH SVHC=Yes, Resistance=71.5K, RoHS=Yes, RoHS Compliant=Yes, Series=ERJ, Stock 1=80974, Stock 2=70314, Stock 3=301603, Stock 4=70000, Supplier 1=Mouser, Supplier 2=Digi-Key, Supplier 3=Farnell, Supplier Part Number 2=P71.5KLCT-ND, Supplier Part Number 3=2397370, Termination=SMD/SMT, Voltage Rating (DC)=50V, Width=0.02inch
R35: library part Res_1M_1%_0402, "0402,1M,1%,63mW,50V", Alternative Part Number=CR0402-FX-1004GLF, Manufacturer 1=Panasonic, Manufacturer 2=Bourns, Manufacturer Part Number 1=ERJ-2RKF1004X, Operating Temperature="-55°C ~ 125°C", Package="0402 (1005 Metric)", Supplier Part Number 1=667-ERJ-2RKF1004X, Temperature Coefficient="100 PPM / C", Tolerance=±1%, Voltage=50V, Component Type=Generic, Manufacturer Part Number 2=CR0402-FX-1004GLF, Mounting Type=SMT, Part Number=ERJ-2RKF1004X, Resistance=1MOhm, Supplier 1=Mouser, Supplier 2=Farnell, Supplier 3=Mouser, Supplier 4=Digi-Key, Supplier 5=Farnell, Supplier Part Number 2=2302957, Supplier Part Number 3=652-CR0402FX-1004GLF, Supplier Part Number 4=CR0402-FX-1004GLFCT-ND, Supplier Part Number 5=2908202
R37 R38 R39 R40 R41 R42 R91: library part Res_10k_1%_0402, "0402, 10K 1%,  62.5mW, 50V", Manufacturer 1=Bourns, Manufacturer Part Number 1=CR0402-FX-1002GLF, Operating Temperature="-55°C ~ 125°C", Package="0402 (1005 Metric)", Supplier Part Number 1=652-CR0402FX-1002GLF, Temperature Coefficient="100 PPM / C", Tolerance=±1%, Voltage=50V, Component Type=Generic, Mounting Type=SMT, Part Number=CR0402-FX-1002GLF, Resistance="10 kOhms", Supplier 1=Mouser, Supplier 2=DigiKey, Supplier 3=Farnell, Supplier Part Number 2=CR0402-FX-1002GLFCT-ND, Supplier Part Number 3=2333566
R44: library part Res_A_0402__________________________Template_1_1_1_1_1, "SMD Chip Resistor, 54.9 kOhm, ± 1%, 100 mW, 0402 [1005 Metric], Thick Film, Precision", Manufacturer=Panasonic, Manufacturer Part Number=ERJ-2RKF5492X, Operating Temperature="-55°C ~ 125°C", Package=0402, Supplier Part Number=667-ERJ-2RKF5492X, Tolerance=±1%, Category="Chip SMD Resistors", Component Type=Generic, ComponentLink1Description=https://datasheet.ciiva.com/24023/aoa0000ce2-24023851.pdf?src-supplier=Mouser, ComponentLink1URL=https://datasheet.ciiva.com/24023/aoa0000ce2-24023851.pdf?src-supplier=Mouser, ComponentLink2Description=https://datasheet.ciiva.com/9188/aoa0000ce2-9188743.pdf?src-supplier=Avnet, ComponentLink2URL=https://datasheet.ciiva.com/9188/aoa0000ce2-9188743.pdf?src-supplier=Avnet, ComponentLink3Description=https://datasheet.ciiva.com/9188/aoa0000ce2-9188745.pdf?src-supplier=Avnet, ComponentLink3URL=https://datasheet.ciiva.com/9188/aoa0000ce2-9188745.pdf?src-supplier=Avnet, ComponentLink4Description=https://datasheet.ciiva.com/46420/1678782-46420255.pdf?src-supplier=Element14, ComponentLink4URL=https://datasheet.ciiva.com/46420/1678782-46420255.pdf?src-supplier=Element14, ComponentLink5Description=https://datasheet.ciiva.com/7937/aoa0000ce2-7937433.pdf?src-supplier=Element14, ComponentLink5URL=https://datasheet.ciiva.com/7937/aoa0000ce2-7937433.pdf?src-supplier=Element14, ComponentLink6Description=https://datasheet.ciiva.com/16766/70260748-16766094.pdf?src-supplier=Allied+Electronics, ComponentLink6URL=https://datasheet.ciiva.com/16766/70260748-16766094.pdf?src-supplier=Allied+Electronics, ComponentLink7Description=https://datasheet.ciiva.com/16789/70260748-16789053.pdf?src-supplier=Allied+Electronics, ComponentLink7URL=https://datasheet.ciiva.com/16789/70260748-16789053.pdf?src-supplier=Allied+Electronics, ComponentLink8Description=https://datasheet.ciiva.com/30146/aoa0000ce2-30146855.pdf?src-supplier=Onlinecomponents.com, ComponentLink8URL=https://datasheet.ciiva.com/30146/aoa0000ce2-30146855.pdf?src-supplier=Onlinecomponents.com, Mounting Type=SMT, Pricing="1=0.1, 10=0.017, 50=0.017, 100=0.008, 1000=0.006, 10000=0.003 (USD)", Resistance=54.9K, RoHS=Yes, Stock=67985, Supplier=Mouser, Supplier 1=Mouser, Supplier Part Number 1=667-ERJ-2RKF5492X
R45: library part Res_A_0402__________________________Template_1_1_1_1_1, "Res Thick Film 0402 162K Ohm 1% 0.1W ±100ppm/°C Molded SMD Punched Carrier T/R", Manufacturer=Panasonic, Manufacturer Part Number=ERJ-2RKF1623X, Operating Temperature="-55°C ~ 125°C", Package=0402, Supplier Part Number=667-ERJ-2RKF1623X, Tolerance=±1%, Category="Chip SMD Resistors", Component Type=Generic, ComponentLink1Description=https://datasheet.ciiva.com/22673/1678782-22673333.pdf?src-supplier=Element14, ComponentLink1URL=https://datasheet.ciiva.com/22673/1678782-22673333.pdf?src-supplier=Element14, ComponentLink2Description=https://datasheet.ciiva.com/16766/70260748-16766970.pdf?src-supplier=Allied+Electronics, ComponentLink2URL=https://datasheet.ciiva.com/16766/70260748-16766970.pdf?src-supplier=Allied+Electronics, ComponentLink3Description=https://datasheet.ciiva.com/28531/1694929-28531487.pdf?src-supplier=Element14, ComponentLink3URL=https://datasheet.ciiva.com/28531/1694929-28531487.pdf?src-supplier=Element14, ComponentLink4Description=https://datasheet.ciiva.com/46373/1678782-46373150.pdf?src-supplier=Element14, ComponentLink4URL=https://datasheet.ciiva.com/46373/1678782-46373150.pdf?src-supplier=Element14, ComponentLink5Description=https://datasheet.ciiva.com/46373/1678782-46373151.pdf?src-supplier=Element14, ComponentLink5URL=https://datasheet.ciiva.com/46373/1678782-46373151.pdf?src-supplier=Element14, ComponentLink6Description=https://datasheet.ciiva.com/7861/1678782-7861989.pdf?src-supplier=Element14, ComponentLink6URL=https://datasheet.ciiva.com/7861/1678782-7861989.pdf?src-supplier=Element14, ComponentLink7Description=https://datasheet.ciiva.com/22721/1678782-22721942.pdf?src-supplier=Farnell, ComponentLink7URL=https://datasheet.ciiva.com/22721/1678782-22721942.pdf?src-supplier=Farnell, ComponentLink8Description=https://datasheet.ciiva.com/43467/1678782-43467499.pdf?src-supplier=Farnell, ComponentLink8URL=https://datasheet.ciiva.com/43467/1678782-43467499.pdf?src-supplier=Farnell, ComponentLink9Description=https://datasheet.ciiva.com/16763/70260748-16763709.pdf?src-supplier=Allied+Electronics, ComponentLink9URL=https://datasheet.ciiva.com/16763/70260748-16763709.pdf?src-supplier=Allied+Electronics, Mounting Type=SMT, Pricing="1=0.1, 10=0.017, 50=0.017, 100=0.008, 1000=0.006, 10000=0.003 (USD)", Resistance=162K, RoHS=Yes, Stock=107010, Supplier=Mouser, Supplier 1=Mouser, Supplier Part Number 1=667-ERJ-2RKF1623X